# Altium PCB ADS1256.PcbDoc (part 2 of 2)
Units mil, origin at the board's own origin, x right, y up, seen from the top; angles counter-clockwise.
Board outline 3405 x 2767.84 mil, 2 copper layers (Top Layer, Bottom Layer); 175 components, 91 nets, 502 pads, 2562 vias.
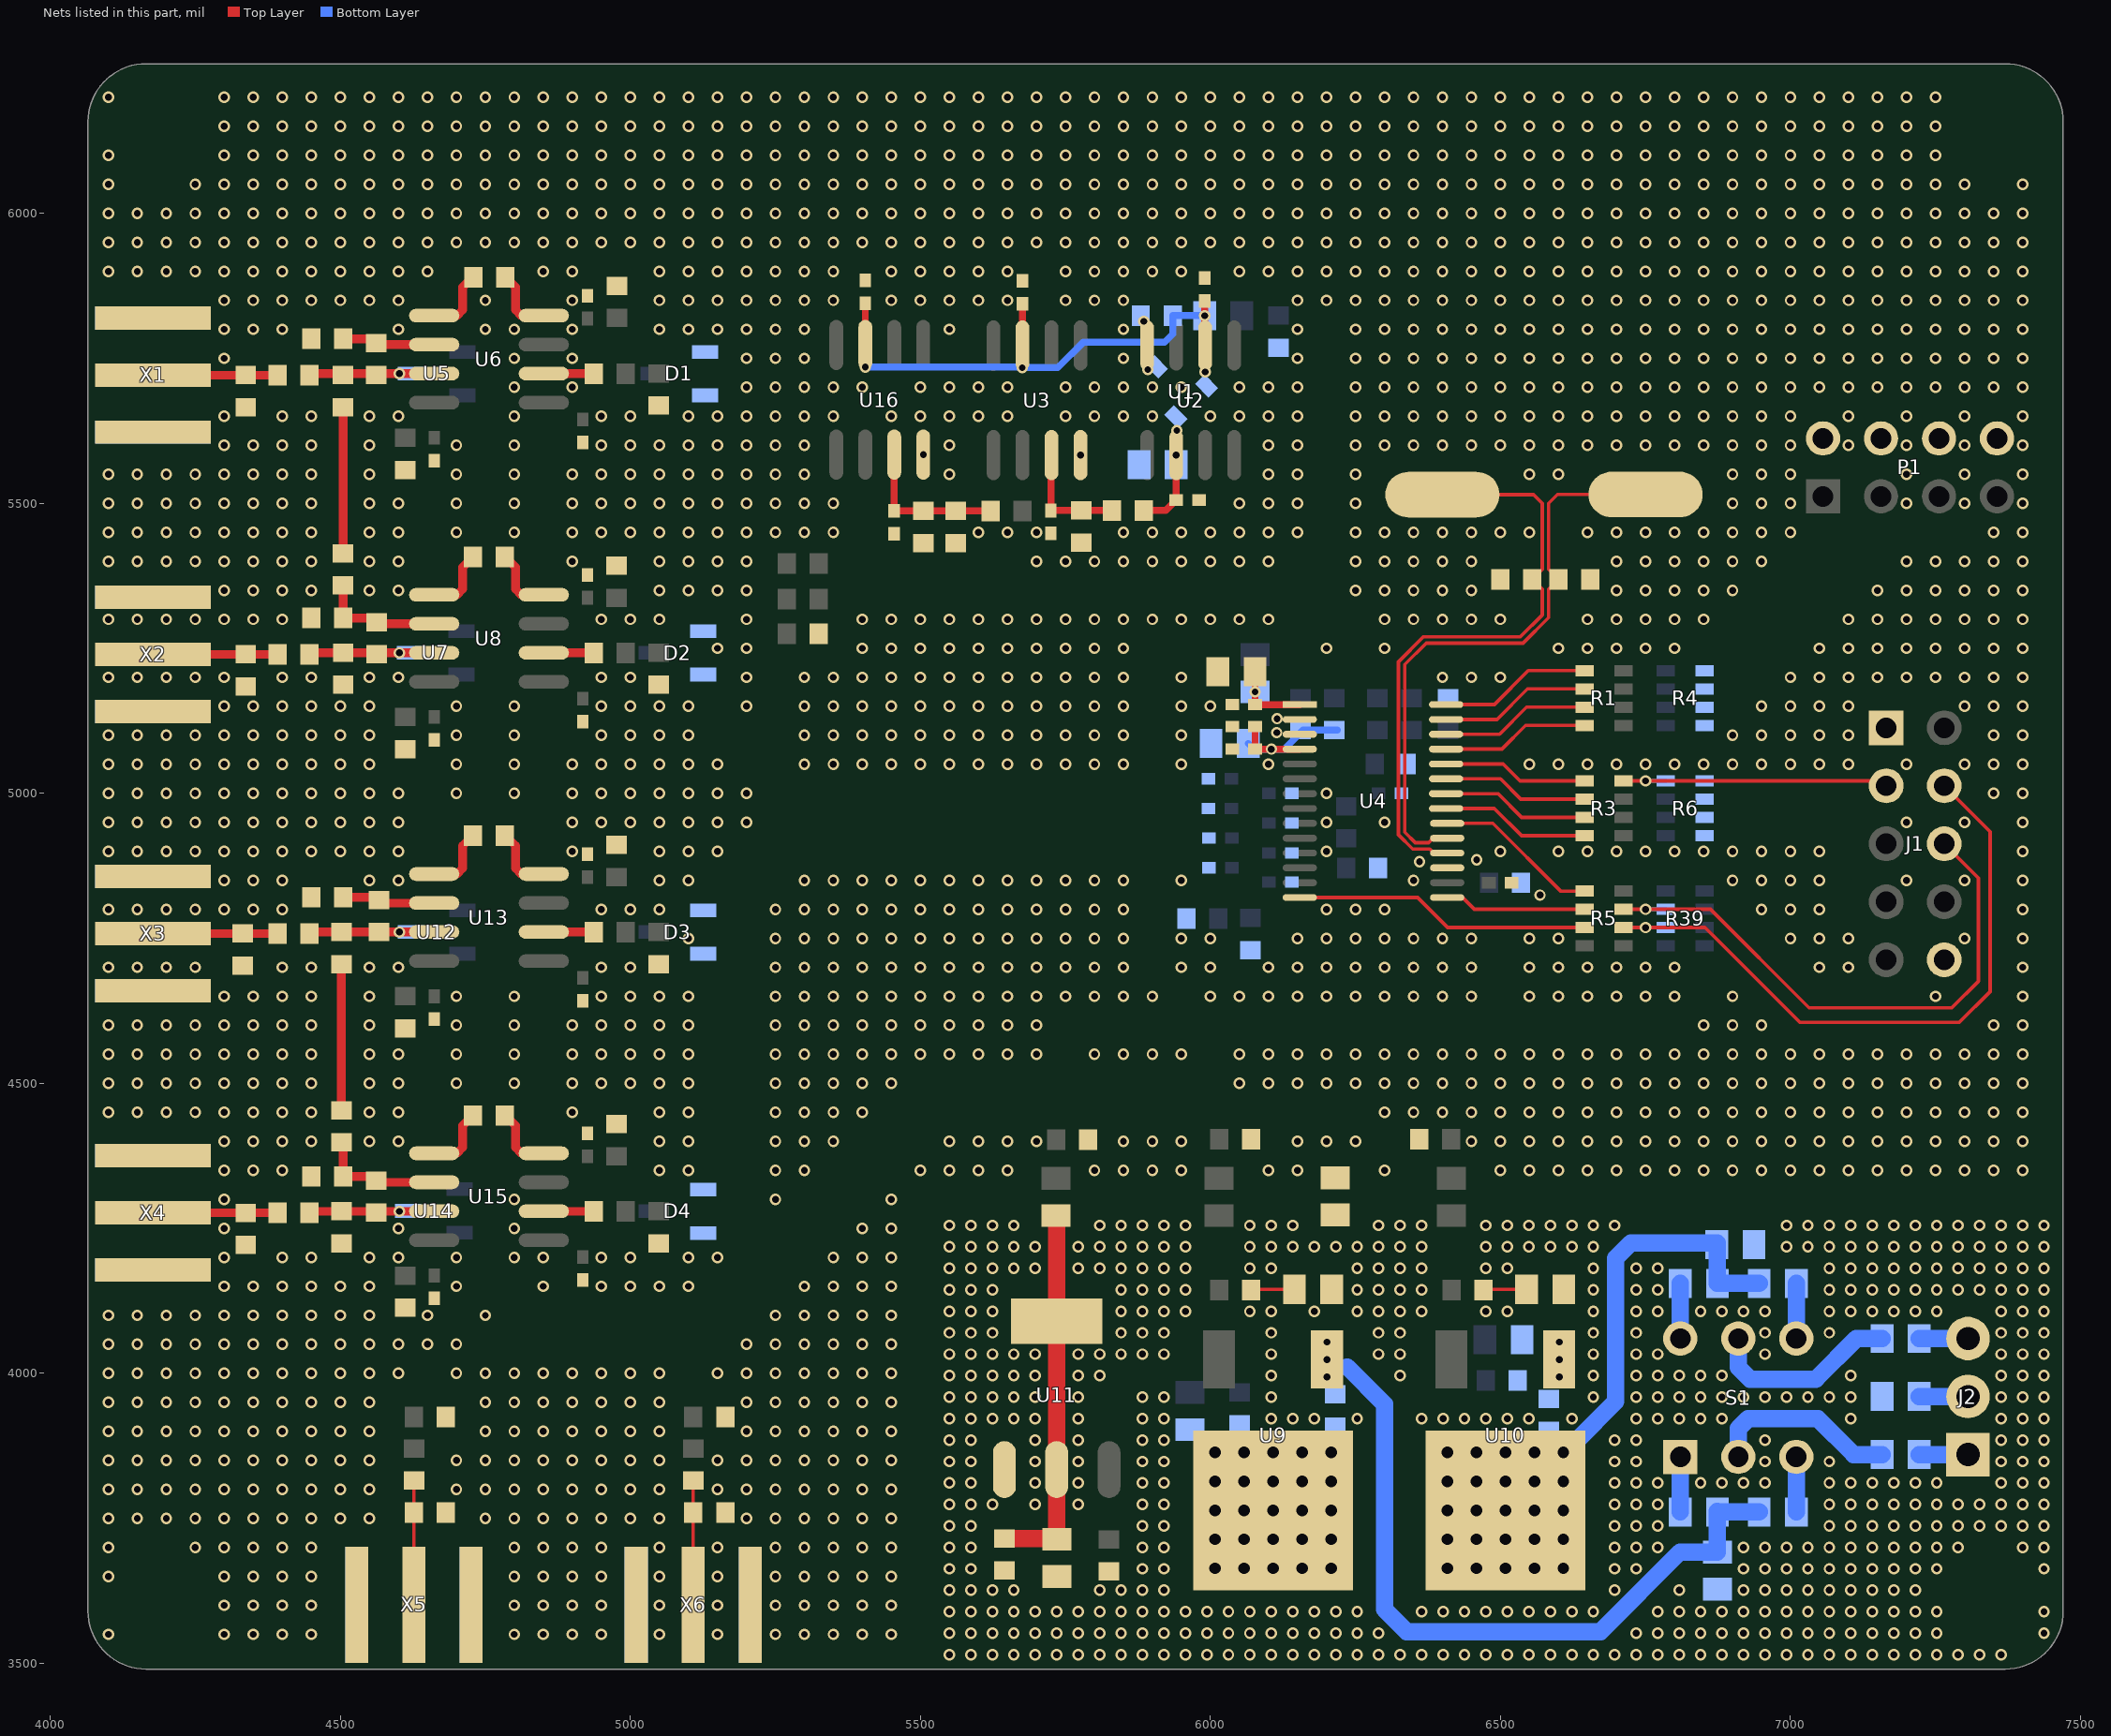
[diagram p2: the nets of this part, all layers, seen from the top]

## Via types
v1: diameter 20, hole 12, Top Layer to Bottom Layer, tented both sides, 2428 vias
v2: diameter 19.68, hole 11.81, Top Layer to Bottom Layer, tented both sides, 80 vias
v3: diameter 25, hole 20, Top Layer to Bottom Layer, tented both sides, 50 vias
v4: diameter 157.48, hole 129.92, Top Layer to Bottom Layer, 4 vias

## Nets (pads, with @x,y where several pads share a name; then routed paths per layer and width w, separated by ;. In a path a pad name is that pad's centre, name@x,y a point inside that pad or via, vN(x,y) a via of type N, cw(c..) or ccw(c..) an arc to the next point about the centre after c; other vN are vias at no path point) (continued)
GND: C1.2 C2.2 C3.1 C4.1 C5.1 C6.1 C7.1 C8.2 C9.1 C10.2 C11.1 C12.1 C13.1 C14.1 C15.2 C16.2 C17.1 C18.1 C20.2 C21.2 C22.2 C23.1 C24.1 C25.1 C26.1 C28.2 C29.2 C30.2 C31.1 C32.1 C39.1 C42.1 C46.1 C47.1 C49.2 C50.2 C51.2 C52.1 C53.1 C54.1 C55.1 C57.2 C58.2 C59.2 C60.1 C61.1 C62.1 C63.1 C64.2 C65.1 C66.1 C67.1 C68.1 C69.1 C70.1 C71.1 C72.2 C73.2 C74.2 C75.2 C76.1 D1.1 D2.1 D3.1 D4.1 FB12.2 J1.1 J1.6 P1.2 P1.4 P1.6 P1.8 R4.5 R4.6 R4.7 R4.8 R6.5 R6.6 R6.7 R6.8 R8.2 R9.1 R14.1 R16.1 R19.1 R20.2 R25.2 R26.1 R33.1 R35.1 R38.1 R40.1 R46.2 R47.2 R51.2 R53.2 U1.3 U2.4 U3.4 U4.2 U4.3 U4.17 U16.4 X1.2 X2.2 X3.2 X4.2 X5.2 X6.2
  other v1: 4100,3550 4300,3550 4350,3550 4400,3550 4450,3550 4800,3550 4850,3550 4900,3550 4950,3550 5050,3550 5150,3550 5250,3550 5300,3550 5350,3550 5400,3550 5450,3550 4300,3600 4350,3600 4400,3600 4450,3600 4800,3600 4850,3600 4900,3600 4950,3600 5050,3600 5150,3600 5250,3600 5300,3600 5350,3600 5400,3600 5450,3600 4100,3650 4300,3650 4350,3650 4400,3650 4450,3650 4800,3650 4850,3650 4900,3650 4950,3650 5050,3650 5150,3650 5250,3650 5300,3650 5350,3650 5400,3650 5450,3650 4100,3700 4250,3700 4300,3700 4350,3700 4400,3700 4450,3700 4800,3700 4850,3700 4900,3700 4950,3700 5050,3700 5150,3700 5250,3700 5300,3700 5350,3700 5400,3700 5450,3700 4100,3750 4150,3750 4200,3750 4250,3750 4300,3750 4350,3750 4400,3750 4450,3750 4500,3750 4550,3750 4750,3750 4800,3750 4850,3750 4900,3750 4950,3750 5000,3750 5050,3750 5200,3750 5250,3750 5300,3750 5350,3750 5400,3750 5450,3750 4100,3800 4150,3800 4200,3800 4250,3800 4300,3800 4350,3800 4400,3800 4450,3800 4500,3800 4550,3800 4700,3800 4750,3800 4800,3800 4850,3800 4900,3800 4950,3800 5000,3800 5050,3800 5150,3800 5200,3800 5250,3800 5300,3800 5350,3800 5400,3800 5450,3800 4100,3850 4150,3850 4200,3850 4250,3850 4300,3850 4350,3850 4400,3850 4450,3850 4500,3850 4550,3850 4700,3850 4750,3850 4800,3850 4850,3850 4900,3850 4950,3850 5000,3850 5050,3850 5150,3850 5200,3850 5250,3850 5300,3850 5350,3850 5400,3850 5450,3850 4100,3900 4150,3900 4200,3900 4250,3900 4300,3900 4350,3900 4400,3900 4450,3900 4500,3900 4550,3900 4750,3900 4800,3900 4850,3900 4900,3900 4950,3900 5000,3900 5050,3900 5200,3900 5250,3900 5300,3900 5350,3900 5400,3900 5450,3900 4100,3950 4150,3950 4200,3950 4250,3950 4300,3950 4350,3950 4400,3950 4450,3950 4500,3950 4550,3950 4750,3950 4800,3950 4850,3950 4900,3950 4950,3950 5000,3950 5050,3950 5200,3950 5250,3950 5300,3950 5350,3950 5400,3950 5450,3950 4100,4000 4150,4000 4200,4000 4250,4000 4300,4000 4350,4000 4400,4000 4450,4000 4500,4000 4550,4000 4600,4000 4700,4000 4750,4000 4800,4000 4850,4000 4900,4000 4950,4000 5000,4000 5050,4000 5150,4000 5200,4000 5250,4000 5300,4000 5350,4000 5400,4000 5450,4000 4100,4050 4150,4050 4200,4050 4250,4050 4300,4050 4350,4050 4400,4050 4450,4050 4500,4050 4550,4050 4600,4050 4650,4050 4700,4050 5200,4050 5250,4050 5300,4050 5350,4050 5400,4050 5450,4050 4100,4100 4150,4100 4200,4100 4250,4100 4300,4100 4350,4100 4400,4100 4450,4100 4500,4100 4550,4100 4650,4100 4750,4100 5250,4100 5300,4100 5350,4100 5400,4100 5450,4100 4300,4150 4350,4150 4400,4150 4450,4150 4500,4150 4550,4150 4700,4150 4850,4150 4950,4150 5000,4150 5050,4150 5100,4150 5300,4150 5350,4150 5400,4150 5450,4150 4300,4200 4400,4200 4450,4200 4550,4200 4600,4200 4700,4200 4800,4200 4850,4200 4950,4200 5000,4200 5100,4200 5150,4200 5350,4200 5400,4200 5450,4200 4300,4250 4600,4250 4800,4250 5400,4250 5450,4250 4300,4300 4800,4300 5250,4300 5450,4300 4300,4350 4350,4350 4400,4350 5050,4350 5100,4350 5250,4350 5300,4350 5500,4350 5550,4350 5600,4350 5650,4350 5800,4350 5850,4350 5900,4350 5950,4350 6100,4350 6150,4350 6300,4350 6500,4350 6550,4350 6600,4350 6650,4350 6700,4350 6750,4350 6800,4350 6850,4350 6900,4350 6950,4350 7000,4350 7050,4350 7100,4350 7150,4350 7200,4350 7250,4350 7300,4350 7350,4350 7400,4350 4300,4400 4350,4400 4400,4400 4450,4400 4550,4400 4600,4400 5050,4400 5100,4400 5250,4400 5300,4400 5350,4400 5550,4400 5600,4400 5650,4400 5700,4400 5850,4400 5900,4400 5950,4400 6150,4400 6200,4400 6250,4400 6450,4400 6500,4400 6550,4400 6600,4400 6650,4400 6700,4400 6750,4400 6800,4400 6850,4400 6900,4400 6950,4400 7000,4400 7050,4400 7100,4400 7150,4400 7200,4400 7250,4400 7300,4400 7350,4400 7400,4400 4100,4450 4150,4450 4200,4450 4250,4450 4300,4450 4350,4450 4400,4450 4450,4450 4550,4450 4600,4450 4900,4450 5050,4450 5100,4450 5250,4450 5300,4450 5350,4450 5400,4450 6300,4450 6350,4450 6400,4450 6450,4450 6500,4450 6550,4450 6600,4450 6650,4450 6700,4450 6750,4450 6800,4450 6850,4450 6900,4450 6950,4450 7000,4450 7050,4450 7100,4450 7150,4450 7200,4450 7250,4450 7300,4450 7350,4450 7400,4450 4100,4500 4150,4500 4200,4500 4250,4500 4300,4500 4350,4500 4400,4500 4450,4500 4550,4500 4600,4500 4700,4500 4800,4500 4900,4500 4950,4500 5000,4500 5050,4500 5100,4500 5250,4500 5300,4500 5350,4500 5400,4500 5450,4500 6050,4500 6100,4500 6150,4500 6200,4500 6250,4500 6300,4500 6350,4500 6400,4500 6450,4500 6500,4500 6550,4500 6600,4500 6650,4500 6700,4500 6750,4500 6800,4500 6850,4500 6900,4500 6950,4500 7000,4500 7050,4500 7100,4500 7150,4500 7200,4500 7250,4500 7300,4500 7350,4500 7400,4500 4100,4550 4150,4550 4200,4550 4250,4550 4300,4550 4350,4550 4400,4550 4450,4550 4550,4550 4600,4550 4700,4550 4800,4550 4900,4550 4950,4550 5000,4550 5050,4550 5100,4550 5250,4550 5300,4550 5350,4550 5400,4550 5450,4550 5500,4550 5550,4550 5600,4550 5650,4550 5700,4550 5800,4550 5850,4550 5900,4550 5950,4550 6050,4550 6100,4550 6150,4550 6200,4550 6250,4550 6300,4550 6350,4550 6400,4550 6450,4550 6500,4550 6550,4550 6600,4550 6650,4550 6700,4550 6750,4550 6800,4550 6850,4550 6900,4550 6950,4550 7000,4550 7050,4550 7100,4550 7150,4550 7200,4550 7250,4550 7300,4550 7350,4550 7400,4550 4100,4600 4150,4600 4200,4600 4250,4600 4300,4600 4350,4600 4400,4600 4450,4600 4550,4600 4700,4600 4800,4600 4900,4600 4950,4600 5000,4600 5050,4600 5100,4600 5250,4600 5300,4600 5350,4600 5400,4600 5450,4600 5500,4600 5550,4600 5600,4600 5650,4600 5700,4600 6850,4600 6900,4600 6950,4600 7350,4600 7400,4600 4300,4650 4350,4650 4400,4650 4450,4650 4550,4650 4700,4650 4800,4650 4950,4650 5000,4650 5050,4650 5100,4650 5250,4650 5300,4650 5350,4650 5400,4650 5450,4650 5500,4650 5550,4650 5600,4650 5650,4650 5700,4650 5750,4650 5800,4650 5850,4650 5900,4650 6000,4650 6050,4650 6100,4650 6150,4650 6200,4650 6250,4650 6300,4650 6350,4650 6400,4650 6450,4650 6550,4650 6600,4650 6650,4650 6700,4650 6750,4650 6800,4650 6900,4650 7250,4650 7400,4650 4100,4700 4150,4700 4200,4700 4250,4700 4400,4700 4450,4700 4550,4700 4600,4700 4950,4700 5000,4700 5250,4700 5300,4700 5350,4700 5400,4700 5450,4700 5500,4700 5550,4700 5600,4700 5650,4700 5700,4700 5750,4700 5800,4700 5850,4700 5950,4700 6000,4700 6100,4700 6150,4700 6200,4700 6250,4700 6300,4700 6350,4700 6400,4700 6450,4700 6550,4700 6600,4700 6650,4700 6700,4700 6750,4700 6800,4700 7050,4700 7100,4700 7400,4700 5100,4750 5250,4750 5300,4750 5350,4750 5400,4750 5450,4750 5500,4750 5550,4750 5600,4750 5650,4750 5700,4750 5750,4750 5800,4750 5850,4750 5950,4750 6000,4750 6150,4750 6200,4750 6250,4750 6300,4750 6350,4750 6400,4750 6450,4750 6550,4750 6600,4750 7000,4750 7050,4750 7100,4750 7300,4750 7400,4750 4100,4800 4150,4800 4200,4800 4250,4800 4300,4800 4350,4800 4400,4800 4950,4800 5000,4800 5050,4800 5250,4800 5300,4800 5350,4800 5400,4800 5450,4800 5500,4800 5550,4800 5600,4800 5650,4800 5700,4800 5750,4800 5800,4800 5850,4800 6200,4800 6250,4800 6300,4800 6950,4800 7000,4800 7050,4800 7400,4800 4300,4850 4350,4850 4400,4850 4550,4850 4600,4850 5050,4850 5100,4850 5300,4850 5350,4850 5400,4850 5450,4850 5500,4850 5550,4850 5600,4850 5650,4850 5700,4850 5750,4850 5800,4850 5850,4850 5950,4850 6350,4850 6900,4850 6950,4850 7000,4850 7050,4850 7200,4850 7300,4850 7400,4850 4100,4900 4150,4900 4200,4900 4250,4900 4300,4900 4350,4900 4400,4900 4450,4900 4500,4900 4550,4900 4600,4900 4900,4900 5050,4900 5100,4900 5150,4900 6200,4900 6500,4900 6600,4900 6650,4900 6700,4900 6750,4900 6800,4900 6850,4900 6900,4900 6950,4900 7000,4900 7050,4900 7400,4900 4100,4950 4150,4950 4200,4950 4250,4950 4300,4950 4350,4950 4400,4950 4450,4950 4500,4950 4550,4950 4600,4950 4900,4950 4950,4950 5000,4950 5050,4950 5100,4950 5150,4950 5200,4950 6200,4950 6300,4950 7200,4950 7300,4950 7400,4950 4100,5000 4150,5000 4200,5000 4250,5000 4300,5000 4350,5000 4400,5000 4450,5000 4500,5000 4550,5000 4600,5000 4700,5000 4800,5000 4900,5000 4950,5000 5000,5000 5050,5000 5100,5000 5150,5000 5200,5000 6200,5000 7350,5000 7400,5000 4100,5050 4150,5050 4200,5050 4250,5050 4300,5050 4350,5050 4400,5050 4450,5050 4500,5050 4550,5050 4700,5050 4800,5050 4900,5050 4950,5050 5000,5050 5050,5050 5100,5050 5150,5050 5300,5050 5350,5050 5400,5050 5450,5050 5500,5050 5550,5050 5600,5050 5650,5050 5700,5050 5750,5050 5800,5050 5850,5050 5950,5050 6100,5050 6550,5050 6600,5050 6650,5050 6700,5050 6750,5050 6800,5050 6850,5050 6900,5050 6950,5050 7000,5050 7050,5050 7100,5050 7200,5050 7300,5050 7350,5050 7400,5050 4100,5100 4150,5100 4200,5100 4250,5100 4300,5100 4350,5100 4400,5100 4450,5100 4500,5100 4550,5100 4700,5100 4800,5100 4950,5100 5000,5100 5050,5100 5100,5100 5300,5100 5350,5100 5400,5100 5450,5100 5500,5100 5550,5100 5600,5100 5650,5100 5700,5100 5750,5100 5800,5100 5850,5100 5950,5100 6900,5100 6950,5100 7000,5100 7050,5100 7100,5100 7350,5100 7400,5100 4300,5150 4350,5150 4400,5150 4450,5150 4500,5150 4550,5150 4700,5150 4800,5150 4950,5150 5000,5150 5050,5150 5100,5150 5200,5150 5300,5150 5350,5150 5400,5150 5450,5150 5500,5150 5550,5150 5600,5150 5650,5150 5700,5150 5750,5150 5800,5150 5850,5150 5950,5150 6000,5150 6950,5150 7000,5150 7050,5150 7100,5150 7300,5150 7350,5150 7400,5150 4100,5200 4150,5200 4200,5200 4250,5200 4300,5200 4400,5200 4450,5200 4550,5200 4600,5200 4950,5200 5000,5200 5200,5200 5300,5200 5350,5200 5400,5200 5450,5200 5500,5200 5550,5200 5600,5200 5650,5200 5700,5200 5750,5200 5800,5200 5850,5200 5950,5200 6400,5200 6450,5200 6500,5200 7000,5200 7050,5200 7100,5200 7150,5200 7200,5200 7250,5200 7300,5200 7350,5200 7400,5200 5150,5250 5200,5250 5400,5250 5450,5250 5500,5250 5550,5250 5600,5250 5650,5250 5700,5250 5750,5250 5800,5250 5850,5250 6200,5250 6300,5250 6600,5250 6650,5250 6700,5250 6750,5250 6800,5250 7050,5250 7100,5250 7150,5250 7200,5250 7250,5250 7300,5250 7350,5250 7400,5250 4100,5300 4150,5300 4200,5300 4250,5300 4300,5300 4350,5300 4400,5300 4950,5300 5000,5300 5050,5300 5200,5300 5400,5300 5450,5300 5500,5300 5550,5300 5600,5300 5650,5300 5700,5300 5750,5300 5800,5300 5850,5300 5900,5300 5950,5300 6000,5300 6050,5300 6100,5300 6300,5300 6350,5300 6400,5300 6450,5300 6500,5300 6650,5300 6700,5300 6750,5300 6800,5300 6850,5300 7100,5300 7150,5300 7200,5300 7250,5300 7300,5300 7350,5300 7400,5300 4300,5350 4350,5350 4400,5350 4450,5350 4550,5350 4600,5350 5050,5350 5100,5350 5150,5350 5200,5350 6250,5350 6300,5350 6350,5350 6400,5350 6450,5350 6700,5350 6750,5350 6800,5350 6850,5350 6900,5350 7150,5350 7200,5350 7250,5350 7300,5350 7350,5350 7400,5350 4100,5400 4150,5400 4200,5400 4250,5400 4300,5400 4350,5400 4400,5400 4450,5400 4550,5400 4600,5400 4900,5400 5050,5400 5100,5400 5150,5400 5200,5400 5700,5400 5750,5400 5800,5400 5850,5400 5900,5400 5950,5400 6000,5400 6050,5400 6100,5400 6250,5400 6300,5400 6350,5400 6400,5400 6450,5400 6700,5400 6750,5400 6800,5400 6850,5400 6900,5400 6950,5400 7200,5400 7250,5400 7300,5400 7350,5400 7400,5400 4100,5450 4150,5450 4200,5450 4250,5450 4300,5450 4350,5450 4400,5450 4450,5450 4550,5450 4600,5450 4700,5450 4800,5450 4900,5450 4950,5450 5000,5450 5050,5450 5100,5450 5150,5450 5200,5450 5250,5450 5300,5450 5350,5450 5600,5450 5650,5450 5700,5450 5850,5450 5900,5450 5950,5450 6000,5450 6050,5450 6100,5450 6150,5450 6250,5450 6300,5450 6350,5450 6400,5450 6450,5450 6500,5450 6550,5450 6650,5450 6700,5450 6750,5450 6800,5450 6850,5450 6900,5450 6950,5450 7000,5450 7350,5450 7400,5450 4100,5500 4150,5500 4200,5500 4250,5500 4300,5500 4350,5500 4400,5500 4450,5500 4550,5500 4600,5500 4700,5500 4800,5500 4900,5500 4950,5500 5000,5500 5050,5500 5100,5500 5150,5500 5200,5500 5250,5500 5300,5500 5350,5500 6050,5500 6100,5500 6150,5500 6250,5500 6900,5500 6950,5500 7000,5500 7200,5500 7300,5500 7400,5500 4100,5550 4150,5550 4200,5550 4250,5550 4300,5550 4350,5550 4400,5550 4450,5550 4550,5550 4700,5550 4800,5550 4900,5550 4950,5550 5000,5550 5050,5550 5100,5550 5150,5550 5200,5550 5250,5550 5300,5550 5550,5550 6100,5550 6150,5550 6250,5550 6550,5550 6600,5550 6900,5550 6950,5550 7000,5550 7200,5550 7300,5550 7400,5550 4300,5600 4350,5600 4400,5600 4450,5600 4550,5600 4700,5600 4800,5600 4950,5600 5000,5600 5050,5600 5100,5600 5150,5600 5200,5600 5250,5600 5300,5600 5550,5600 6100,5600 6150,5600 6250,5600 6300,5600 6350,5600 6400,5600 6450,5600 6500,5600 6550,5600 6600,5600 6650,5600 6700,5600 6750,5600 6800,5600 6850,5600 6900,5600 6950,5600 7000,5600 7100,5600 7200,5600 7300,5600 7400,5600 4300,5650 4400,5650 4450,5650 4550,5650 4600,5650 4800,5650 4950,5650 5000,5650 5100,5650 5150,5650 5200,5650 5250,5650 5300,5650 5350,5650 5450,5650 5500,5650 5550,5650 5600,5650 5650,5650 5750,5650 5800,5650 5850,5650 5900,5650 6000,5650 6050,5650 6100,5650 6150,5650 6250,5650 6300,5650 6350,5650 6400,5650 6450,5650 6500,5650 6550,5650 6600,5650 6650,5650 6700,5650 6750,5650 6800,5650 6850,5650 6900,5650 6950,5650 7000,5650 7100,5650 7200,5650 7300,5650 7400,5650 4800,5700 4900,5700 5200,5700 5250,5700 5300,5700 5350,5700 5400,5700 5500,5700 5550,5700 5600,5700 5650,5700 5750,5700 5800,5700 5850,5700 5900,5700 5950,5700 6050,5700 6100,5700 6150,5700 6250,5700 6300,5700 6350,5700 6400,5700 6450,5700 6500,5700 6550,5700 6600,5700 6650,5700 6700,5700 6750,5700 6800,5700 6850,5700 6900,5700 6950,5700 7000,5700 7050,5700 7100,5700 7150,5700 7200,5700 7250,5700 7300,5700 7350,5700 7400,5700 4300,5750 4800,5750 4900,5750 5200,5750 5250,5750 5300,5750 5850,5750 6150,5750 6250,5750 6300,5750 6350,5750 6400,5750 6450,5750 6500,5750 6550,5750 6600,5750 6650,5750 6700,5750 6750,5750 6800,5750 6850,5750 6900,5750 6950,5750 7000,5750 7050,5750 7100,5750 7150,5750 7200,5750 7250,5750 7300,5750 7350,5750 7400,5750 4300,5800 4350,5800 4400,5800 4600,5800 4750,5800 4800,5800 4900,5800 5050,5800 5100,5800 5150,5800 5200,5800 5250,5800 5300,5800 5550,5800 5850,5800 6150,5800 6250,5800 6300,5800 6350,5800 6400,5800 6450,5800 6500,5800 6550,5800 6600,5800 6650,5800 6700,5800 6750,5800 6800,5800 6850,5800 6900,5800 6950,5800 7000,5800 7050,5800 7100,5800 7150,5800 7200,5800 7250,5800 7300,5800 7350,5800 7400,5800 4300,5850 4350,5850 4400,5850 4450,5850 4500,5850 4550,5850 4600,5850 4750,5850 4900,5850 5050,5850 5100,5850 5150,5850 5200,5850 5250,5850 5300,5850 5350,5850 5450,5850 5500,5850 5550,5850 5600,5850 5650,5850 5750,5850 5800,5850 5850,5850 6150,5850 6200,5850 6250,5850 6300,5850 6350,5850 6400,5850 6450,5850 6500,5850 6550,5850 6600,5850 6650,5850 6700,5850 6750,5850 6800,5850 6850,5850 6900,5850 6950,5850 7000,5850 7050,5850 7100,5850 7150,5850 7200,5850 7250,5850 7300,5850 7350,5850 7400,5850 4100,5900 4150,5900 4200,5900 4250,5900 4300,5900 4350,5900 4400,5900 4450,5900 4500,5900 4550,5900 4600,5900 4650,5900 4850,5900 4900,5900 5050,5900 5100,5900 5150,5900 5200,5900 5250,5900 5300,5900 5350,5900 5450,5900 5500,5900 5550,5900 5600,5900 5650,5900 5750,5900 5800,5900 5850,5900 5900,5900 5950,5900 6050,5900 6100,5900 6150,5900 6200,5900 6250,5900 6300,5900 6350,5900 6400,5900 6450,5900 6500,5900 6550,5900 6600,5900 6650,5900 6700,5900 6750,5900 6800,5900 6850,5900 6900,5900 6950,5900 7000,5900 7050,5900 7100,5900 7150,5900 7200,5900 7250,5900 7300,5900 7350,5900 7400,5900 4100,5950 4150,5950 4200,5950 4250,5950 4300,5950 4350,5950 4400,5950 4450,5950 4500,5950 4550,5950 4600,5950 4650,5950 4700,5950 4750,5950 4800,5950 4850,5950 4900,5950 4950,5950 5000,5950 5050,5950 5100,5950 5150,5950 5200,5950 5250,5950 5300,5950 5350,5950 5400,5950 5450,5950 5500,5950 5550,5950 5600,5950 5650,5950 5700,5950 5750,5950 5800,5950 5850,5950 5900,5950 5950,5950 6000,5950 6050,5950 6100,5950 6150,5950 6200,5950 6250,5950 6300,5950 6350,5950 6400,5950 6450,5950 6500,5950 6550,5950 6600,5950 6650,5950 6700,5950 6750,5950 6800,5950 6850,5950 6900,5950 6950,5950 7000,5950 7050,5950 7100,5950 7150,5950 7200,5950 7250,5950 7300,5950 7350,5950 7400,5950 4100,6000 4150,6000 4200,6000 4250,6000 4300,6000 4350,6000 4400,6000 4450,6000 4500,6000 4550,6000 4600,6000 4650,6000 4700,6000 4750,6000 4800,6000 4850,6000 4900,6000 4950,6000 5000,6000 5050,6000 5100,6000 5150,6000 5200,6000 5250,6000 5300,6000 5350,6000 5400,6000 5450,6000 5500,6000 5550,6000 5600,6000 5650,6000 5700,6000 5750,6000 5800,6000 5850,6000 5900,6000 5950,6000 6000,6000 6050,6000 6100,6000 6150,6000 6200,6000 6250,6000 6300,6000 6350,6000 6400,6000 6450,6000 6500,6000 6550,6000 6600,6000 6650,6000 6700,6000 6750,6000 6800,6000 6850,6000 6900,6000 6950,6000 7000,6000 7050,6000 7100,6000 7150,6000 7200,6000 7250,6000 7300,6000 7350,6000 7400,6000 4100,6050 4250,6050 4300,6050 4350,6050 4400,6050 4450,6050 4500,6050 4550,6050 4600,6050 4650,6050 4700,6050 4750,6050 4800,6050 4850,6050 4900,6050 4950,6050 5000,6050 5050,6050 5100,6050 5150,6050 5200,6050 5250,6050 5300,6050 5350,6050 5400,6050 5450,6050 5500,6050 5550,6050 5600,6050 5650,6050 5700,6050 5750,6050 5800,6050 5850,6050 5900,6050 5950,6050 6000,6050 6050,6050 6100,6050 6150,6050 6200,6050 6250,6050 6300,6050 6350,6050 6400,6050 6450,6050 6500,6050 6550,6050 6600,6050 6650,6050 6700,6050 6750,6050 6800,6050 6850,6050 6900,6050 6950,6050 7000,6050 7050,6050 7100,6050 7150,6050 7200,6050 7250,6050 7300,6050 7400,6050 4100,6100 4300,6100 4350,6100 4400,6100 4450,6100 4500,6100 4550,6100 4600,6100 4650,6100 4700,6100 4750,6100 4800,6100 4850,6100 4900,6100 4950,6100 5000,6100 5050,6100 5100,6100 5150,6100 5200,6100 5250,6100 5300,6100 5350,6100 5400,6100 5450,6100 5500,6100 5550,6100 5600,6100 5650,6100 5700,6100 5750,6100 5800,6100 5850,6100 5900,6100 5950,6100 6000,6100 6050,6100 6100,6100 6150,6100 6200,6100 6250,6100 6300,6100 6350,6100 6400,6100 6450,6100 6500,6100 6550,6100 6600,6100 6650,6100 6700,6100 6750,6100 6800,6100 6850,6100 6900,6100 6950,6100 7000,6100 7050,6100 7100,6100 7150,6100 7200,6100 7250,6100 4300,6150 4350,6150 4400,6150 4450,6150 4500,6150 4550,6150 4600,6150 4650,6150 4700,6150 4750,6150 4800,6150 4850,6150 4900,6150 4950,6150 5000,6150 5050,6150 5100,6150 5150,6150 5200,6150 5250,6150 5300,6150 5350,6150 5400,6150 5450,6150 5500,6150 5550,6150 5600,6150 5650,6150 5700,6150 5750,6150 5800,6150 5850,6150 5900,6150 5950,6150 6000,6150 6050,6150 6100,6150 6150,6150 6200,6150 6250,6150 6300,6150 6350,6150 6400,6150 6450,6150 6500,6150 6550,6150 6600,6150 6650,6150 6700,6150 6750,6150 6800,6150 6850,6150 6900,6150 6950,6150 7000,6150 7050,6150 7100,6150 7150,6150 7200,6150 7250,6150 4100,6200 4300,6200 4350,6200 4400,6200 4450,6200 4500,6200 4550,6200 4600,6200 4650,6200 4700,6200 4750,6200 4800,6200 4850,6200 4900,6200 4950,6200 5000,6200 5050,6200 5100,6200 5150,6200 5200,6200 5250,6200 5300,6200 5350,6200 5400,6200 5450,6200 5500,6200 5550,6200 5600,6200 5650,6200 5700,6200 5750,6200 5800,6200 5850,6200 5900,6200 5950,6200 6000,6200 6050,6200 6100,6200 6150,6200 6200,6200 6250,6200 6300,6200 6350,6200 6400,6200 6450,6200 6500,6200 6550,6200 6600,6200 6650,6200 6700,6200 6750,6200 6800,6200 6850,6200 6900,6200 6950,6200 7000,6200 7050,6200 7100,6200 7150,6200 7200,6200 7250,6200
  other v2: 6568.23,4824.58 6360.39,4882 6458.86,4885.28 6114.3,5104.66 6114.93,5128.66 5776,5583.07 5505,5584.07 5892,5730.56 5885.12,5813.72
NetC2_1: C2.1 C3.2 C6.2 C65.2 FB1.2 U1.1 U2.2 U3.7 U16.7 | length 862.4
  Top Layer w12: U16.7@5405,5773.05 C65.2@5405,5845.13 ; U3.7@5676,5772.05 C6.2@5676,5844.13 ; C3.2@5990,5848.87 v2(5990,5823.56) 5990,5773.05 U2.2@5991,5772.05
  Bottom Layer w12: v2(5405,5735) 5674.44,5735 v2(5675.5,5733.94) 5736.94,5733.94 5781,5778 5921,5778 5935,5792 C2.1@5935,5823.56 v2(5990,5823.56)
  other v2: 5991,5726.56
NetC4_2: C4.2 C5.2 R2.2 U1.2 U2.6 | length 140.8
  Top Layer w12: R2.2@5885.12,5487.56 5923,5487.56 C5.2@5941,5505.56 v2(5941,5583.07)
  other v2: 5942,5625.56
NetC7_2: C7.2 C63.2 R2.1 U3.3 | length 201.9
  Top Layer w12: U3.3@5725,5583.07 U3.3@5725,5582.07 ; U3.3@5726,5583.07 U3.3@5725,5582.07 ; R2.1@5830,5487.56 C7.2@5777,5487.56 C63.2@5725,5487.56 U3.3@5725,5582.07
NetC8_1: C8.1 C9.2 FB2.2 U4.1 | length 142
  Top Layer w12: C8.1@6077,5218 C9.2@6077,5153 U4.1@6154,5153
  other v2: 6077,5175
NetC15_1: C15.1 U4.18 Y1.2 | length 1061.5
  Top Layer w6: Y1.2@6399.8,5514.83 6557.17,5514.83 6572,5500 6572,5386 C15.1@6555,5369 6572,5352 6572,5307.56 6534.44,5270 6367.44,5270 6324,5226.56 6324,4928.56 6348.56,4904 6378,4904 6384.91,4897.09 U4.18@6408.09,4897.09
NetC16_1: C16.1 U4.19 Y1.1 | length 1038.8
  Top Layer w6: U4.19@6408.09,4922.69 6383.69,4922.69 6376,4915 6353.12,4915 6335,4933.12 6335,5222 6372,5259 6539,5259 6583,5303 6583,5352 C16.1@6600,5369 6583,5386 6583,5500 6598.17,5515.17 Y1.1@6750.2,5515.17
NetC19_1: C19.1 R8.1 U6.2 | length 161.3
  Top Layer w15: R8.1@4504.7,5783.6 4554.43,5783.6 C19.1@4561.89,5776.14 4564.43,5773.6 U6.2@4661.89,5773.6
NetC19_2: C19.2 R10.1 R12.1 U5.2 U6.3 | length 215.9
  Top Layer w15: R10.1@4447.01,5721.02 4449.58,5723.6 U6.3@4661.89,5723.6
  other v2: 4601.89,5723.6
NetC27_1: C27.1 R13.2 R14.2 U8.2 | length 218.5
  Top Layer w15: R13.2@4504.7,5358.6 R14.2@4504.7,5302.2 4554.43,5302.2 4564.43,5292.2 U8.2@4661.89,5292.2 ; C27.1@4561.89,5295.28 C27.1@4562.43,5294.74
NetC27_2: C27.2 R17.1 R19.2 U7.2 U8.3 | length 215.9
  Top Layer w15: R17.1@4447.01,5239.62 4449.58,5242.2 U8.3@4661.89,5242.2
  other v2: 4601.89,5242.2
NetC44_2: C44.2 C45.2 FB13.1 U11.2 | length 647
  Top Layer w30: C45.2@5644.84,3715 5733.89,3715 5735,3716.11 U11.2@5735,3834 U11.2@5735,4089.91 5735,4270.89 FB13.1@5733.89,4272
NetC48_1: C48.1 R25.1 U13.2 | length 162.1
  Top Layer w15: R25.1@4504.7,4820.8 4554.43,4820.8 4564.43,4810.8 U13.2@4661.89,4810.8 ; C48.1@4561.89,4813.88 C48.1@4562.43,4813.34
NetC48_2: C48.2 R27.1 R29.1 U12.2 U13.3 | length 215.9
  Top Layer w15: R27.1@4447.01,4758.22 4449.58,4760.8 U13.3@4661.89,4760.8
  other v2: 4601.89,4760.8
NetC56_1: C56.1 R32.2 R33.2 U15.2 | length 218.5
  Top Layer w15: R32.2@4504.7,4395.8 R33.2@4504.7,4339.39 4554.43,4339.39 4564.43,4329.39 U15.2@4661.89,4329.39 ; C56.1@4561.89,4332.48 C56.1@4562.43,4331.94
NetC56_2: C56.2 R36.1 R38.2 U14.2 U15.3 | length 215.9
  Top Layer w15: R36.1@4447.01,4276.82 4449.58,4279.39 U15.3@4661.89,4279.39
  other v2: 4601.89,4279.39
NetC66_2: C66.2 C68.2 R21.1 R40.2 U16.3 | length 263
  Top Layer w12: U16.3@5455,5584.07 5455,5487.05 5455.26,5486.79 C68.2@5505,5486.79 R40.2@5560.81,5486.79 R21.1@5620.88,5486.79
NetD5_2: D5.2 R42.1 | length 75
  Top Layer w6: R42.1@6470.51,4143.89 6471.27,4144.66 D5.2@6545.23,4144.66
NetD6_1: D6.1 R41.1 | length 74
  Top Layer w6: R41.1@6070.88,4144.66 D6.1@6144.84,4144.66
NetFB3_1: FB3.1 S1.1 | length 95
  Bottom Layer w30: FB3.1@6810,3761 S1.1@6810,3856
NetFB4_1: FB4.1 J2.1 | length 84
  Bottom Layer w30: FB4.1@7222,3860 J2.1@7306,3860
NetFB5_1: FB5.1 S1.3 | length 95
  Bottom Layer w30: FB5.1@7010,3761 S1.3@7010,3856
NetFB6_1: FB6.1 J2.2 | length 84
  Bottom Layer w30: FB6.1@7222,3960 J2.2@7306,3960
NetFB7_1: FB7.1 S1.4 | length 95
  Bottom Layer w30: S1.4@7010,4060 FB7.1@7010,4155
NetFB8_1: FB8.1 J2.3 | length 84
  Bottom Layer w30: FB8.1@7222,4060 J2.3@7306,4060
NetFB9_1: FB9.1 S1.6 | length 95
  Bottom Layer w30: S1.6@6810,4060 FB9.1@6810,4155
NetR1_1: R1.1 U4.28 | length 263
  Top Layer w6: U4.28@6406.27,5153 6489.5,5153 6547.99,5211.5 R1.1@6645,5211.5
NetR1_2: R1.2 U4.27 | length 260.5
  Top Layer w6: U4.27@6406.27,5127.41 6493.91,5127.41 6546.5,5180 R1.2@6645,5180
NetR1_3: R1.3 U4.26 | length 258.1
  Top Layer w6: U4.26@6406.27,5101.82 6498.31,5101.82 6545,5148.5 R1.3@6645,5148.5
NetR1_4: R1.4 U4.25 | length 255.6
  Top Layer w6: U4.25@6406.27,5076.23 6502.72,5076.23 6543.5,5117.01 R1.4@6645,5117.01
NetR3_1: R3.1 U4.24 | length 250.8
  Top Layer w6: U4.24@6406.27,5050.64 6504.41,5050.64 6533.55,5021.5 R3.1@6645,5021.5
NetR3_2: R3.2 U4.23 | length 253.2
  Top Layer w6: U4.23@6406.27,5025.05 6499.95,5025.05 6535,4990 R3.2@6645,4990
NetR3_3: R3.3 U4.22 | length 255.7
  Top Layer w6: U4.22@6406.27,4999.46 6495.54,4999.46 6536.5,4958.5 R3.3@6645,4958.5
NetR3_4: R3.4 U4.21 | length 258.1
  Top Layer w6: U4.21@6406.27,4973.87 6489.41,4973.87 6536.27,4927.01 R3.4@6645,4927.01
NetR5_1: R5.1 U4.20 | length 285.3
  Top Layer w6: U4.20@6408.09,4948.28 6486.72,4948.28 6603.5,4831.5 R5.1@6645,4831.5
NetR5_2: R5.2 U4.15 | length 245.3
  Top Layer w6: U4.15@6408.09,4820.32 6434.68,4820.32 6455,4800 R5.2@6645,4800
NetR5_3: R5.3 U4.14 | length 512.5
  Top Layer w6: U4.14@6154,4820.32 6357.05,4820.32 6408.87,4768.5 R5.3@6645,4768.5
NetR7_1: R7.1 U6.8 | length 115.3
  Top Layer w15: R7.1@4784.45,5890 4801.89,5872.56 ; 4801.89,5871.16 4801.89,5833.6 4811.89,5823.6 U6.8@4850.87,5823.6
NetR7_2: R7.2 U6.1 | length 115.3
  Top Layer w15: U6.1@4661.89,5823.6 4700.87,5823.6 4710.87,5833.6 4710.87,5871.16 ; 4710.87,5872.56 R7.2@4728.31,5890
NetR9_2: R9.2 R10.2 X1.1 | length 215
  Top Layer w15: X1.1@4176.89,5721.02 R9.2@4336.89,5721.02 R10.2@4391.89,5721.02
NetR11_2: R11.2 U6.6 | length 86
  Top Layer w15: U6.6@4850.87,5723.6 R11.2@4936.89,5723.6
NetR12_2: R12.2 R13.1 | length 252.2
  Top Layer w15: R13.1@4504.7,5413.72 R12.2@4504.7,5665.91
NetR15_1: R15.1 U8.8 | length 115.3
  Top Layer w15: R15.1@4784.45,5407.2 4801.89,5389.76 4801.89,5352.2 4811.89,5342.2 U8.8@4850.87,5342.2
NetR15_2: R15.2 U8.1 | length 115.3
  Top Layer w15: U8.1@4661.89,5342.2 4700.87,5342.2 4710.87,5352.2 4710.87,5389.76 R15.2@4728.31,5407.2
NetR16_2: R16.2 R17.2 X2.1 | length 215
  Top Layer w15: X2.1@4176.89,5239.62 R16.2@4336.89,5239.62 R17.2@4391.89,5239.62
NetR18_2: R18.2 U8.6 | length 86
  Top Layer w15: U8.6@4850.87,5242.2 R18.2@4936.89,5242.2
NetR24_1: R24.1 U13.8 | length 115.3
  Top Layer w15: R24.1@4784.45,4927.2 4801.89,4909.76 ; 4801.89,4908.35 4801.89,4870.8 4811.89,4860.8 U13.8@4850.87,4860.8
NetR24_2: R24.2 U13.1 | length 115.3
  Top Layer w15: U13.1@4661.89,4860.8 4700.87,4860.8 4710.87,4870.8 4710.87,4908.35 ; 4710.87,4909.76 R24.2@4728.31,4927.2
NetR26_2: R26.2 R27.2 X3.1 | length 215
  Top Layer w15: X3.1@4176.89,4758.22 4336.89,4758.22 R27.2@4391.89,4758.22
NetR28_2: R28.2 U13.6 | length 86
  Top Layer w15: U13.6@4850.87,4760.8 R28.2@4936.89,4760.8
NetR29_2: R29.2 R32.1 | length 252.2
  Top Layer w15: R32.1@4501.89,4453.49 R29.2@4501.89,4705.68
NetR34_1: R34.1 U15.8 | length 115.3
  Top Layer w15: R34.1@4784.45,4444.39 4801.89,4426.95 4801.89,4389.39 4811.89,4379.39 U15.8@4850.87,4379.39
NetR34_2: R34.2 U15.1 | length 115.3
  Top Layer w15: U15.1@4661.89,4379.39 4700.87,4379.39 4710.87,4389.39 4710.87,4426.95 R34.2@4728.31,4444.39
NetR35_2: R35.2 R36.2 X4.1 | length 215
  Top Layer w15: X4.1@4176.89,4276.82 R35.2@4336.89,4276.82 R36.2@4391.89,4276.82
NetR37_2: R37.2 U15.6 | length 86
  Top Layer w15: U15.6@4850.87,4279.39 R37.2@4936.89,4279.39
NetR50_2: R50.2 R51.1 X5.1 | length 213.9
  Top Layer w6: X5.1@4626.89,3601 R51.1@4626.89,3759.88 4626.89,3814.75 R50.2@4627.01,3814.88
NetR52_2: R52.2 R53.1 X6.1 | length 214
  Top Layer w6: X6.1@5108.29,3601 R52.2@5108.29,3815
PGND: C33.1 C34.1 C35.1 C36.1 C37.1 C38.1 C40.1 C41.1 C43.1 C44.1 C45.1 D5.1 D6.2 FB6.2 FB12.1 pad.6@6108,3763.89 U9.2 U10.1 U11.1
  other v1: 5550,3515 5587,3515 5624,3515 5661,3515 5698,3515 5735,3515 5772,3515 5809,3515 5846,3515 5883,3515 5920,3515 5957,3515 5994,3515 6031,3515 6068,3515 6105,3515 6142,3515 6179,3515 6216,3515 6253,3515 6290,3515 6327,3515 6364,3515 6401,3515 6438,3515 6475,3515 6512,3515 6549,3515 6586,3515 6623,3515 6660,3515 6697,3515 6734,3515 6771,3515 6808,3515 6845,3515 6882,3515 6919,3515 6956,3515 6993,3515 7030,3515 7067,3515 7104,3515 7141,3515 7178,3515 7215,3515 7252,3515 7289,3515 7326,3515 7363,3515 5550,3552 5587,3552 5624,3552 5661,3552 5698,3552 5735,3552 5772,3552 5809,3552 5846,3552 5883,3552 5920,3552 5957,3552 5994,3552 6031,3552 6068,3552 6105,3552 6142,3552 6179,3552 6216,3552 6253,3552 6290,3552 6734,3552 6771,3552 6808,3552 6845,3552 6882,3552 6919,3552 6956,3552 6993,3552 7030,3552 7067,3552 7104,3552 7141,3552 7178,3552 7215,3552 7252,3552 7437,3552 5550,3589 5587,3589 5624,3589 5661,3589 5698,3589 5735,3589 5772,3589 5809,3589 5846,3589 5883,3589 5920,3589 5957,3589 5994,3589 6031,3589 6068,3589 6105,3589 6142,3589 6179,3589 6216,3589 6253,3589 6364,3589 6401,3589 6438,3589 6475,3589 6512,3589 6549,3589 6586,3589 6623,3589 6660,3589 6771,3589 6808,3589 6845,3589 6882,3589 6919,3589 6956,3589 6993,3589 7030,3589 7067,3589 7104,3589 7141,3589 7178,3589 7215,3589 7252,3589 7437,3589 5550,3626 5587,3626 5624,3626 5661,3626 5809,3626 5846,3626 5883,3626 5920,3626 6697,3626 6808,3626 6919,3626 6956,3626 6993,3626 7030,3626 7067,3626 7104,3626 7141,3626 7178,3626 7215,3626 5550,3663 5587,3663 5883,3663 5920,3663 6697,3663 6734,3663 6919,3663 6956,3663 6993,3663 7030,3663 7067,3663 7104,3663 7141,3663 7178,3663 7215,3663 7252,3663 7437,3663 5550,3700 5587,3700 5883,3700 5920,3700 6697,3700 6734,3700 6771,3700 6919,3700 6956,3700 6993,3700 7030,3700 7067,3700 7104,3700 7141,3700 7178,3700 7215,3700 7252,3700 7289,3700 7400,3700 7437,3700 5550,3737 5587,3737 5883,3737 5920,3737 6697,3737 6734,3737 6771,3737 7067,3737 7104,3737 7141,3737 7178,3737 7215,3737 7252,3737 7289,3737 7326,3737 7363,3737 7400,3737 7437,3737 5550,3774 5587,3774 5624,3774 5698,3774 5772,3774 5883,3774 5920,3774 6697,3774 6734,3774 6771,3774 7067,3774 7104,3774 7141,3774 7178,3774 7215,3774 7252,3774 7289,3774 7326,3774 7363,3774 7400,3774 7437,3774 5550,3811 5587,3811 5698,3811 5772,3811 5883,3811 5920,3811 6697,3811 6734,3811 6771,3811 6845,3811 6882,3811 6919,3811 6956,3811 7067,3811 7104,3811 7141,3811 7178,3811 7215,3811 7252,3811 7363,3811 7400,3811 7437,3811 5550,3848 5587,3848 5698,3848 5772,3848 5883,3848 5920,3848 6697,3848 6734,3848 6956,3848 7067,3848 7363,3848 7400,3848 7437,3848 5550,3885 5587,3885 5698,3885 5772,3885 5883,3885 5920,3885 6697,3885 6734,3885 6956,3885 7363,3885 7400,3885 7437,3885 5550,3922 5587,3922 5624,3922 5661,3922 5698,3922 5772,3922 5883,3922 5920,3922 6105,3922 6142,3922 6179,3922 6253,3922 6364,3922 6401,3922 6438,3922 6475,3922 6512,3922 6549,3922 6623,3922 6734,3922 6771,3922 6808,3922 6845,3922 6882,3922 7104,3922 7363,3922 7400,3922 7437,3922 5550,3959 5587,3959 5624,3959 5661,3959 5698,3959 5772,3959 5883,3959 5920,3959 6105,3959 6660,3959 6734,3959 6771,3959 6808,3959 6845,3959 6882,3959 6919,3959 6956,3959 6993,3959 7030,3959 7067,3959 7104,3959 7363,3959 7400,3959 7437,3959 5550,3996 5587,3996 5624,3996 5661,3996 5698,3996 5772,3996 5809,3996 6105,3996 6327,3996 6660,3996 6734,3996 6771,3996 6808,3996 6845,3996 6882,3996 7104,3996 7363,3996 7400,3996 7437,3996 5550,4033 5587,4033 5624,4033 5661,4033 5698,4033 5772,4033 5809,4033 5846,4033 5883,4033 5920,4033 6105,4033 6290,4033 6327,4033 6660,4033 6734,4033 6771,4033 6956,4033 7363,4033 7400,4033 7437,4033 5550,4070 5587,4070 5624,4070 5846,4070 5883,4070 5920,4070 6105,4070 6290,4070 6327,4070 6660,4070 6734,4070 6956,4070 7067,4070 7363,4070 7400,4070 7437,4070 5550,4107 5587,4107 5624,4107 5846,4107 5883,4107 5920,4107 5957,4107 6068,4107 6105,4107 6179,4107 6253,4107 6290,4107 6327,4107 6364,4107 6475,4107 6512,4107 6660,4107 6734,4107 6771,4107 6845,4107 6882,4107 6919,4107 6956,4107 7067,4107 7104,4107 7141,4107 7178,4107 7215,4107 7252,4107 7363,4107 7400,4107 7437,4107 5550,4144 5587,4144 5624,4144 5846,4144 5883,4144 5920,4144 5957,4144 6253,4144 6290,4144 6327,4144 6364,4144 6660,4144 6734,4144 6771,4144 7067,4144 7104,4144 7141,4144 7178,4144 7215,4144 7252,4144 7289,4144 7326,4144 7363,4144 7400,4144 7437,4144 5550,4181 5587,4181 5624,4181 5661,4181 5698,4181 5772,4181 5809,4181 5846,4181 5883,4181 5920,4181 5957,4181 6068,4181 6105,4181 6253,4181 6290,4181 6327,4181 6364,4181 6475,4181 6512,4181 6660,4181 6734,4181 6771,4181 7067,4181 7104,4181 7141,4181 7178,4181 7215,4181 7252,4181 7289,4181 7326,4181 7363,4181 7400,4181 7437,4181 5550,4218 5587,4218 5624,4218 5661,4218 5698,4218 5772,4218 5809,4218 5846,4218 5883,4218 5920,4218 5957,4218 6068,4218 6105,4218 6142,4218 6179,4218 6216,4218 6253,4218 6290,4218 6327,4218 6364,4218 6475,4218 6512,4218 6549,4218 6586,4218 6623,4218 6660,4218 6993,4218 7030,4218 7067,4218 7104,4218 7141,4218 7178,4218 7215,4218 7252,4218 7289,4218 7326,4218 7363,4218 7400,4218 7437,4218 5550,4255 5587,4255 5624,4255 5661,4255 5809,4255 5846,4255 5883,4255 5920,4255 5957,4255 6068,4255 6105,4255 6142,4255 6290,4255 6327,4255 6364,4255 6475,4255 6512,4255 6549,4255 6586,4255 6623,4255 6660,4255 6697,4255 6993,4255 7030,4255 7067,4255 7104,4255 7141,4255 7178,4255 7215,4255 7252,4255 7289,4255 7326,4255 7363,4255 7400,4255 7437,4255
  other v2: 6601.39,3993.89 6601.39,4023.89 6601.39,4053.89
  other v3: 6008,3663.89 6058,3663.89 6108,3663.89 6158,3663.89 6208,3663.89 6008,3713.89 6058,3713.89 6108,3713.89 6158,3713.89 6208,3713.89 6008,3763.89 6058,3763.89 6108,3763.89 6158,3763.89 6208,3763.89 6008,3813.89 6058,3813.89 6108,3813.89 6158,3813.89 6208,3813.89 6008,3863.89 6058,3863.89 6108,3863.89 6158,3863.89 6208,3863.89
RST: J1.8 R5.7 R39.7 | length 998
  Top Layer w6: R5.7@6711.93,4800 6862,4800 7032,4630 7278,4630 7324,4676 7324,4854 J1.8@7265,4913
  Bottom Layer w6: v2(6750,4800) R39.7@6785,4800
SCLK: J1.2 R3.8 R6.4 | length 491.6
  Top Layer w6: R3.8@6711.93,5021.5 7156.5,5021.5 J1.2@7165,5013
  Bottom Layer w6: v2(6750,5021.5) R6.4@6785,5021.5
SYNC: J1.9 R5.6 R39.6 | length 1144.5
  Top Layer w6: R5.6@6711.93,4768.5 6852.5,4768.5 7016,4605 7291,4605 7344,4658 7344,4934 J1.9@7265,5013
  Bottom Layer w6: v2(6750,4768.5) R39.6@6785,4768.5
VCC: C33.2 C34.2 FB3.2 FB5.2 U9.1 | length 1263.3
  Top Layer w6: v2(6201,4023.89) v2(6201,4053.89)
  Bottom Layer w30: 6235.92,4011 6300,3946.92 6300,3593 6338.28,3554.72 6672.35,3554.72 6809.63,3692 C33.2@6874,3692 FB3.2@6874,3761 ; FB3.2@6874,3762 FB3.2@6874,3761 ; FB5.2@6946,3761 FB3.2@6874,3761
  other v2: 6201,3993.89
VCCIN: FB4.2 S1.2 | length 329.7
  Bottom Layer w30: S1.2@6910,3856 6910,3905 6927.02,3922.02 7046.98,3922.02 7109,3860 FB4.2@7158,3860
VEE: C35.2 C36.2 FB7.2 FB9.2 pad.6@6508.39,3763.89 U10.2 | length 671.9
  Bottom Layer w30: pad.6@6630.37,3883.26 6698.47,3951.35 6698.47,4198.47 6725,4225 6874,4225 FB9.2@6874,4155 FB7.2@6946,4155
  other v3: 6408.39,3663.89 6458.39,3663.89 6508.39,3663.89 6558.39,3663.89 6608.39,3663.89 6408.39,3713.89 6458.39,3713.89 6508.39,3713.89 6558.39,3713.89 6608.39,3713.89 6408.39,3763.89 6458.39,3763.89 6508.39,3763.89 6558.39,3763.89 6608.39,3763.89 6408.39,3813.89 6458.39,3813.89 6508.39,3813.89 6558.39,3813.89 6608.39,3813.89 6408.39,3863.89 6458.39,3863.89 6508.39,3863.89 6558.39,3863.89 6608.39,3863.89
VEEIN: FB8.2 S1.5 | length 335.1
  Bottom Layer w30: S1.5@6910,4060 6910,4010.31 6930.31,3990 7043.62,3990 7113.62,4060 FB8.2@7158,4060
VREFIN: C10.1 C11.2 C12.2 R22.2 R23.2 U4.4 | length 287
  Top Layer w12: C11.2@6076.95,5115 6076.95,5076.28 C12.2@6077,5076.23 v2(6105,5076.23) U4.4@6154,5076.23
  Bottom Layer w12: C10.1@6065,5086.07 6074.84,5076.23 v2(6105,5076.23) 6127.09,5076.23 6160,5109.13 R23.2@6218.5,5109.13
pads on no net: J1.10 R5.4 R5.5 R39.5 U2.1 U2.3 U2.5 U2.7 U2.8 U3.1 U3.5 U3.8 U16.1 U16.5 U16.8
copper on no net:
  other v4: 4190,3615 7345,3615 4190,6132.84 7345,6132.84

## Polygon pours and split planes (outlines as drawn)
GND on Bottom Layer (solid, pour order 6): 4065,6257.84 4065,3490 7470,3490 7470,6257.84 7165,6257.84
PGND on Bottom Layer (solid, pour order 2): 5520,3490 5520,4299.69 7469.68,4299.69 7470,4300 7470,3490
GND on Top Layer (solid, pour order 4): 4065,6257.84 4065,3490 7470,3490 7470,6257.84 7165,6257.84
PGND on Top Layer (solid, pour order 0): 5520,3490 5520,4299.69 7469.68,4299.69 7470,4300 7470,3490

## Keep-outs
Keep-Out Layer:
  the board outline again, w10

## Other copper
Top Layer:
  pour cut-out: 5521.31,4326.31 5468.69,4326.31 5468.69,3490 5521.31,3490
  pour cut-out: 7470,4275 7470,4327.62 5468.69,4327.62 5468.69,4275
Bottom Layer:
  pour cut-out: 7470,4275 7470,4327.62 5468.69,4327.62 5468.69,4275
  pour cut-out: 5521.31,4326.31 5468.69,4326.31 5468.69,3490 5521.31,3490
  region net VCC: 6146,3972.64 6146,4075.14 6256,4075.14 6256,3972.64
  region net +5.0BUF: 5960,3972.64 5960,4075.14 6070,4075.14 6070,3972.64
  region net -5.0BUF: 6360.39,3972.64 6360.39,4075.14 6470.39,4075.14 6470.39,3972.64

## Silkscreen, mask and mechanical layers (free items; w line width, h text height)
Top Overlay:
  text "CH0" at 4146,5868 h70
  text "GND" at 7067.99,5768.93 h70 r90
  text "GND" at 7168.8,5768.93 h70 r90
  text "GND" at 7269.61,5768.93 h70 r90
  text "GND" at 7370.43,5768.93 h70 r90
  text "D3" at 7067.99,5690 h70 r90
  text "D2" at 7168.8,5690 h70 r90
  text "D1" at 7269.39,5690 h70 r90
  text "D0" at 7370.43,5690 h70 r90
  text "CH1" at 4146,5386.33 h70
  text "GND" at 6768.48,5102.61 h70
  text "NC" at 6912.6,5102.61 h70
  text "SCLK" at 6768.48,5001.37 h70
  text "SYNC" at 6912.6,5001.37 h70
  text "CH2" at 4146,4904.67 h70
  text "DIN" at 6768.48,4899.75 h70
  text "RST" at 6912.6,4900 h70
  text "DOUT" at 6768.48,4798.88 h70
  text "CS" at 6912.6,4798.63 h70
  text "DRDY" at 6768.48,4697.26 h70
  text "GND" at 6912.6,4697.26 h70
  text "JLCJLCJLCJLC" at 7328.58,4692 h40 r90
  text "CH3" at 4146,4423 h70
  text "CH5" at 4968,3573 h70 r90
  text "CH4" at 4478,3568 h70 r90
Mechanical 1:
  the board outline again, w10